# Altium PCB CPU-board-multi-Ethernnet.PcbDoc (part 2 of 3)
Units mm, origin at the board's own origin, x right, y up, seen from the top; angles counter-clockwise.
Board outline 124.38 x 78.66 mm, 5 copper layers (L1, L1-2, L2, L3, L4); 321 components, 264 nets, 1005 pads, 365 vias.
Unrouted connection lines stored in the file: 97.
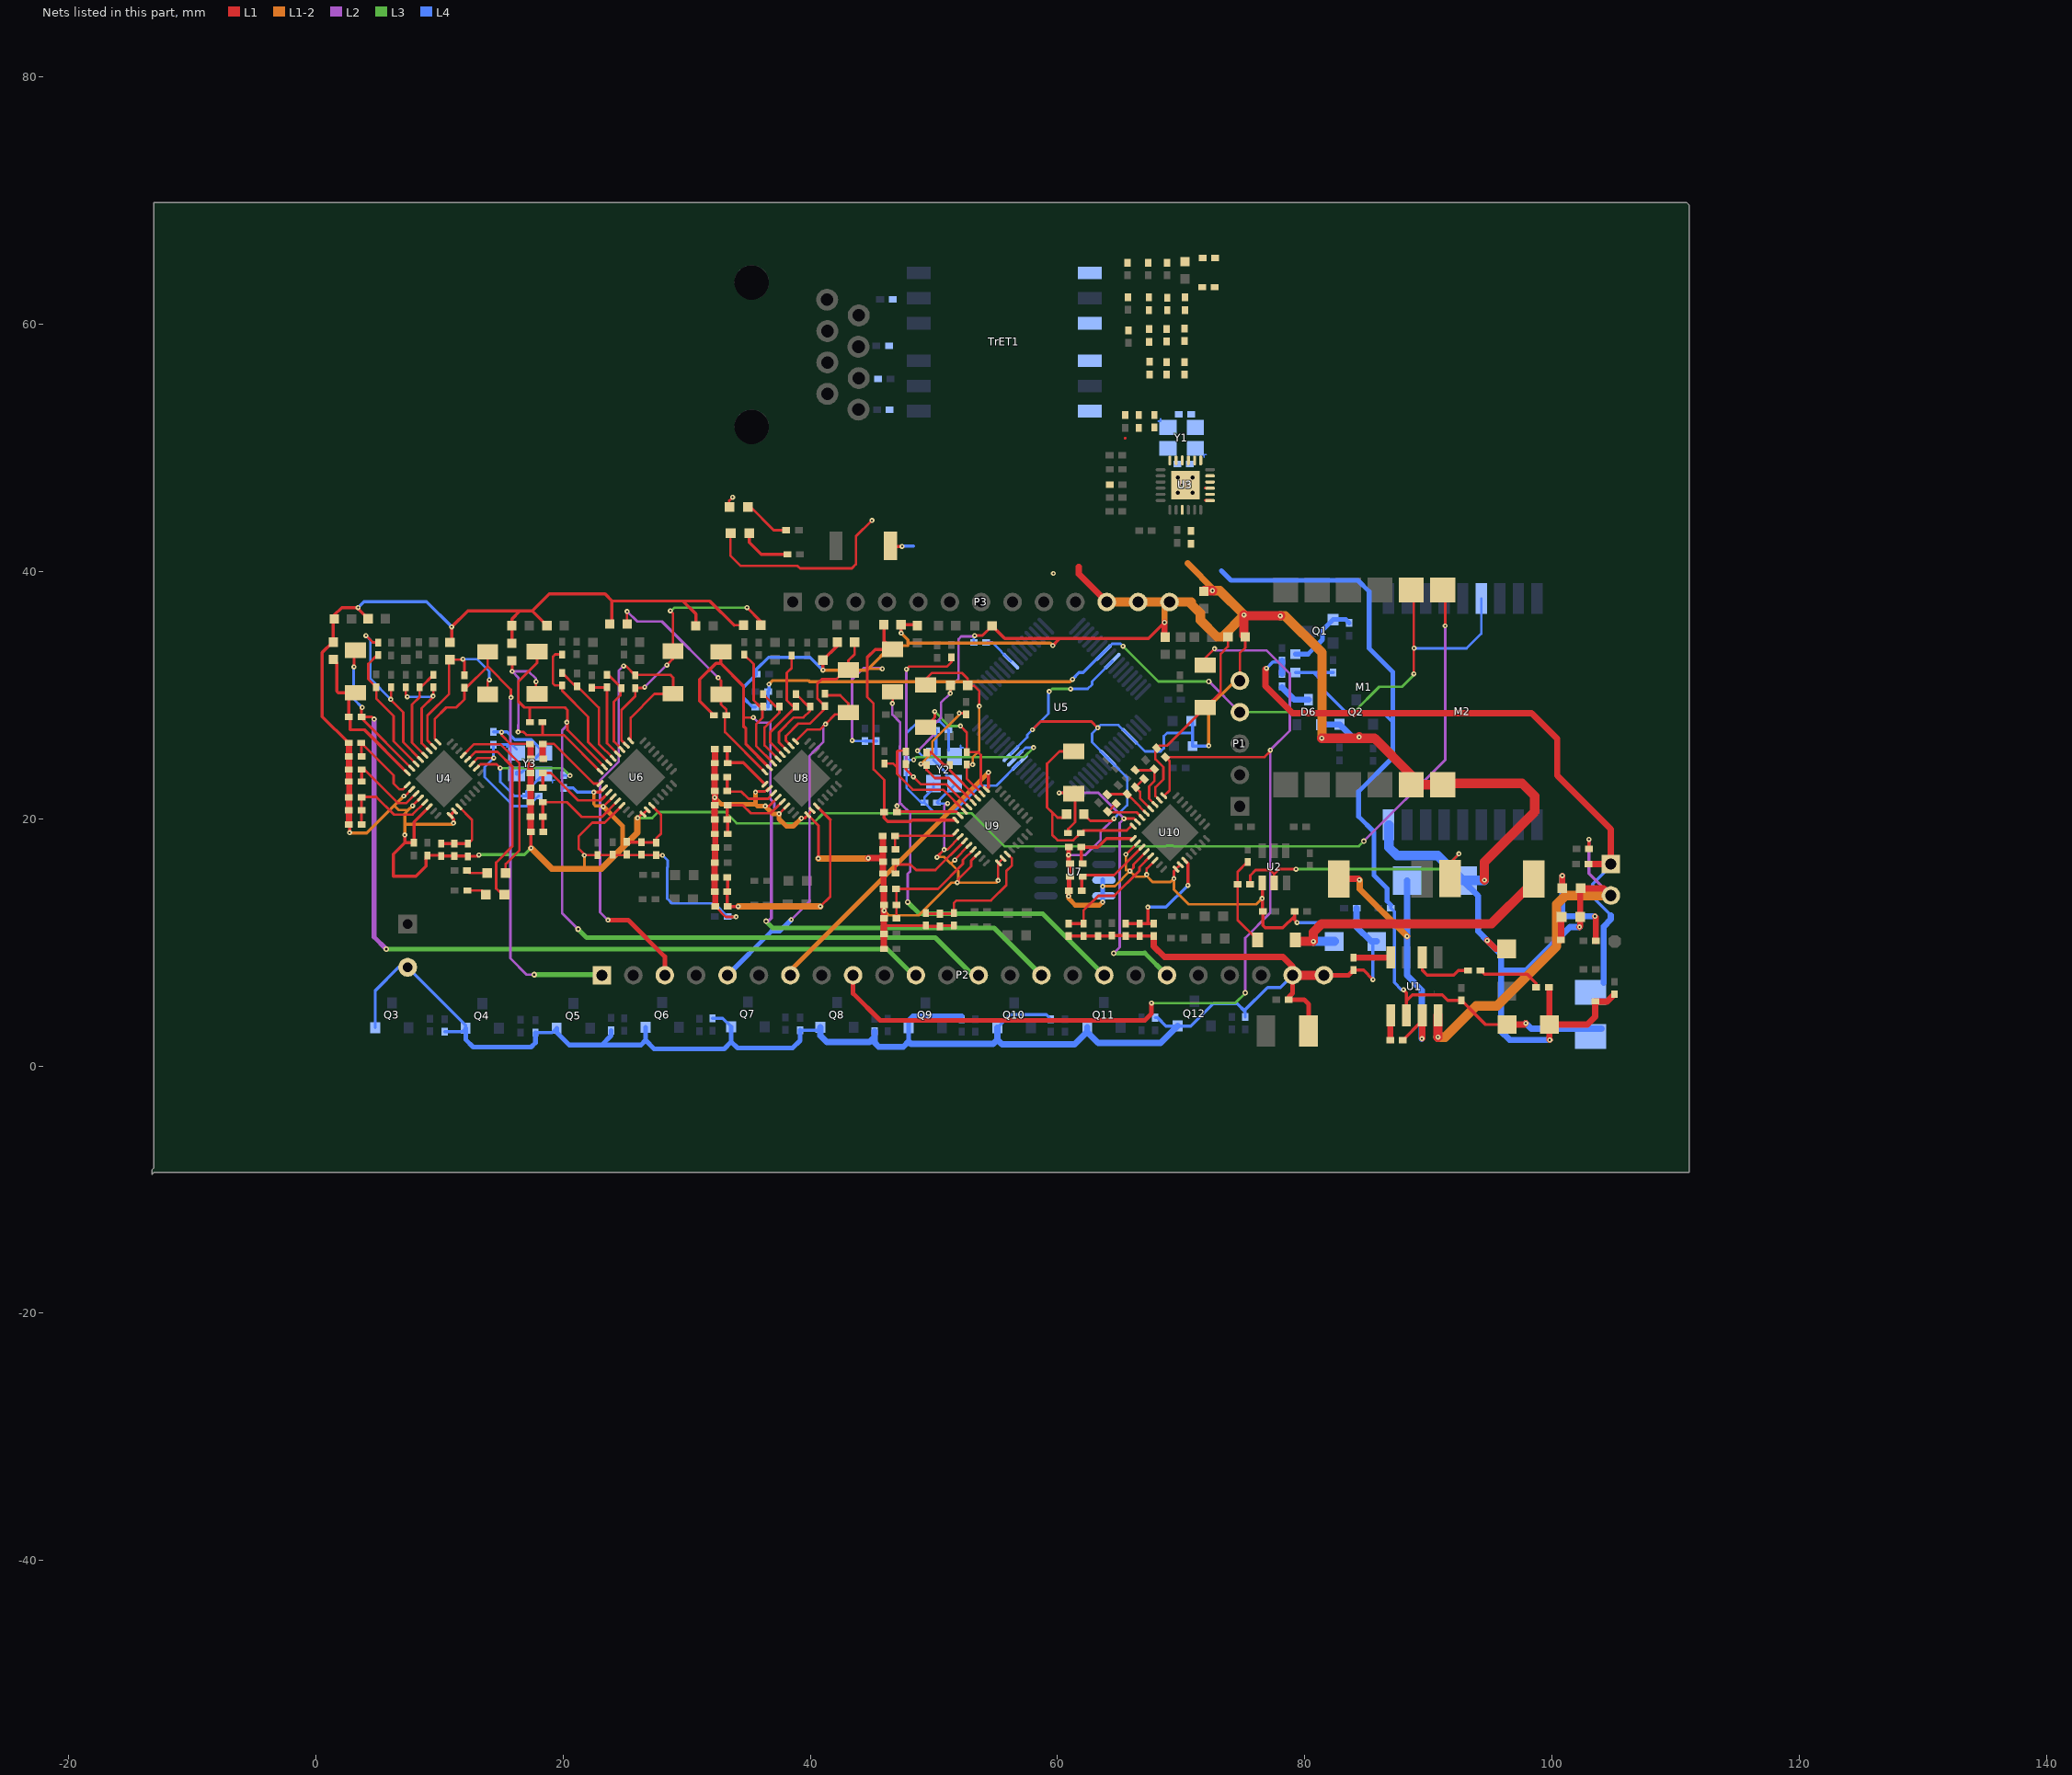
[diagram p5: the nets of this part, all layers, seen from the top]

## Via types
v1: diameter 0.406, hole 0.152, L1 to L4, 80 vias
v2: diameter 0.406, hole 0.152, L1 to L2, 56 vias
v3: diameter 0.406, hole 0.152, L1 to L3, 50 vias
v4: diameter 0.406, hole 0.152, L1 to L1-2, 48 vias
v5: diameter 0.406, hole 0.152, L3 to L4, 34 vias
v6: diameter 0.406, hole 0.152, L2 to L4, 29 vias
v7: diameter 0.66, hole 0.33, L1 to L4, tented top, 24 vias
v8: diameter 0.45, hole 0.2, L2 to L3, 21 vias
v9: diameter 0.406, hole 0.152, L1-2 to L4, 16 vias
v10: diameter 0.45, hole 0.2, L1-2 to L3, 4 vias
v11: diameter 0.406, hole 0.152, L1-2 to L2, 3 vias

## Nets (pads, with @x,y where several pads share a name; then routed paths per layer and width w, separated by ;. In a path a pad name is that pad's centre, name@x,y a point inside that pad or via, vN(x,y) a via of type N, cw(c..) or ccw(c..) an arc to the next point about the centre after c; other vN are vias at no path point) (continued)
GND: BT1.2 C2.2 C3.2 C4.2 C5.2 C8.2 C9.2 C10.2 C11.2 C12.2 C13.2 C14.2 C15.2 C16.2 C17.2 C18.2 C19.2 C20.2 C21.2 C23.2 C24.2 C25.2 C26.2 C27.1 C28.2 C29.2 C30.2 C31.2 C32.2 C33.2 C34.2 C36.1 C37.2 C38.1 C39.2 C40.2 C41.2 C42.2 C44.2 C45.2 C46.2 C47.2 C49.2 C50.2 C51.2 C52.2 C53.2 C55.2 C56.2 C57.1 C59.2 C60.2 C61.2 C62.2 C63.2 C64.2 C67.1 C69.2 C70.2 C71.2 C72.1 C74.2 C75.2 C77.2 C78.2 C79.2 C80.2 C81.2 C82.2 C86.2 C87.2 C88.2 C89.2 C91.2 C93.2 C95.2 C96.2 C97.2 C98.1 C99.2 C100.2 C104.2 C105.2 C106.2 C107.2 C108.2 C110.2 C111.2 C112.2 C113.2 C116.2 C117.2 C121.2 C122.2 C123.2 C124.2 D1.1 D3.2 D6.A D7.2 D14.2 D15.2 L5.1 L6.1 L8.1 L9.1 L11.1 L12.1 L14.1 L15.1 L17.1 L18.1 L20.1 L21.1 L23.1 L24.1 L26.1 L27.1 L29.1 L30.1 L32.1 L33.1 M1.1 M1.11 M1.12 M2.9 P1.5 P2.23 P2.24 P3.11 P3.12 P3.13 Q2.E Q3.E Q4.E Q5.E Q6.E Q7.E Q8.E Q9.E Q10.E Q11.E Q12.E R6.1 R7.1 R8.1 R15.1 R21.1 R37.1 R51.1 R56.1 R62.1 R71.1 R76.1 R81.1 R93.1 R99.1 R105.1 R108.1 U1.4@90.78,4.089 U2.1 U3.25 U4.18 U4.20 U4.22 U4.25 U4.26 U5.9 U5.20 U5.25 U5.41 U6.18 U6.20 U6.22 U6.25 U6.26 U7.3 U7.4 U8.18 U8.20 U8.22 U8.25 U8.26 U9.18 U9.20 U9.22 U9.25 U9.26 U10.18 U10.20 U10.22 U10.25 U10.26 Y1.2 Y1.4 Y2.2 Y2.4 Y3.2 Y3.4 | length 834.1
  L1 w0.203: v4(7.112,21.844) 7.198,21.844 U4.18@7.747,22.392 ; v4@7.818,21.049 U4.20@8.454,21.685 ; v1(15.011,27) 15.011,26.772 15.723,26.06 C70.2@17.323,26.06 C70.2@17.374,26.01 ; v4@23.248,20.985 U6.20@24.05,21.787 ; U6.22@24.757,21.08 23.362,19.685 22.352,19.685 21.26,18.593 21.26,17.551 21.742,17.069 C57.1@22.784,17.069 26.34,17.069 C61.2@27.534,17.069 ; v3(26.035,20.066) 26.342,20.373 U6.25@26.454,20.373 U6.26@26.807,20.726 ; C61.2@27.559,17.043 v1(28.042,17.043) ; C77.2@32.309,12.903 33.147,12.065 v1(33.985,12.065) ; 33.833,35.662 L12.1@34.595,35.662 ; v4(35.56,22.149) 35.624,22.213 36.344,22.213 36.574,22.443 U8.18@36.678,22.443 ; v4(36.347,21.031) 36.68,21.031 ; 36.73,21.082 U8.20@37.385,21.736 ; v4(37.465,20.396) U8.22@38.092,21.023 ; v4(39.268,20.041) 39.522,20.041 39.789,20.307 U8.25@39.789,20.322 ; U8.26@40.142,20.676 U8.25@39.789,20.322 ; v4(40.64,16.789) 40.665,16.815 40.665,19.445 U8.25@39.789,20.322 ; C106.2@45.847,18.618 C106.2@45.872,18.593 ; C105.2@45.872,15.57 C105.2@45.923,15.519 ; C93.2@45.923,14.326 C93.2@45.949,14.3 ; v4(50.241,16.891) 50.241,16.916 v2(50.825,17.501) 51.064,17.501 U9.18@52.121,18.557 ; v2(51.333,30.15) L24.1@51.333,30.785 ; v4(51.689,16.662) 51.666,16.639 51.666,16.688 U9.20@52.828,17.85 ; v4(51.892,14.834) 51.968,14.91 51.968,15.113 53.01,16.154 53.01,16.618 U9.22@53.535,17.143 ; v1(53.289,34.823) 53.924,34.823 L23.1@54.712,35.611 ; v4(55.194,15.011) 55.194,16.398 U9.25@55.232,16.436 U9.26@55.586,16.789 ; v1(57.963,27.203) 58.623,27.864 62.738,27.864 v1(63.246,27.356) ; L33.1@62.128,20.371 62.662,19.837 64.389,19.837 v1(64.567,20.015) ; 65.456,50.775 65.481,50.8 ; v4(65.532,17.12) 65.542,17.12 U10.18@66.472,18.049 ; v4(65.862,15.773) 66.142,16.053 66.142,16.305 U10.20@67.179,17.342 ; v4(67.208,15.494) 67.208,15.957 U10.22@67.886,16.635 ; v4(69.418,15.164) 69.418,15.763 U10.25@69.583,15.928 U10.26@69.937,16.281 ; P1.5@74.752,31.166 74.752,33.401 75.184,33.833 L30.1@75.184,34.722 ; v2(91.364,35.611) M1.1@91.364,38.303
  L1 w0.254: C32.2@2.667,19.533 2.667,19.517 2.718,19.467 v4(2.718,18.872) ; C36.1@2.667,21.742 C36.1@2.692,21.768 ; C52.2@2.667,23.012 2.667,22.835 C52.2@2.692,22.809 ; C53.2@2.667,26.111 C53.2@2.642,26.137 0.508,28.27 0.508,33.452 1.346,34.29 L9.1@1.397,34.29 1.397,36.093 L8.1@1.473,36.17 1.473,36.474 2.083,37.084 3.327,37.084 L5.1@4.216,36.195 ; v4(7.188,18.694) 7.188,18.059 ; U4.22@9.161,20.978 7.925,19.742 C29.2@7.925,18.059 7.188,18.059 ; L6.1@10.846,34.265 10.973,34.392 v1(10.973,35.535) 10.998,35.535 12.294,36.83 17.501,36.83 ; v4(11.125,19.66) 11.151,19.685 11.151,19.979 U4.25@10.858,20.271 U4.26@11.212,20.625 ; v3@13.056,16.967 C39.2@12.294,16.967 12.268,16.993 C33.2@11.201,16.993 C27.1@10.135,16.993 10.084,17.043 C30.2@9.017,17.043 8.89,16.916 8.89,16.18 8.077,15.367 6.274,15.367 6.274,17.145 7.188,18.059 ; L15.1@15.85,34.188 L14.1@15.85,35.636 15.85,36.17 16.485,36.805 ; C63.2@17.374,18.948 17.374,17.653 v3(17.399,17.628) ; L11.1@18.694,35.636 17.501,36.83 ; v9(22.479,22.149) 22.997,22.149 U6.18@23.343,22.494 ; L21.1@23.774,35.763 23.927,35.916 23.927,37.567 ; L20.1@30.734,35.611 30.734,36.576 29.693,37.617 ; C74.2@32.258,16.434 C74.2@32.283,16.459 ; C75.2@32.283,17.653 C75.2@32.309,17.678 ; C80.2@32.283,18.771 C80.2@32.309,18.745 ; 33.833,35.662 31.877,37.617 29.693,37.617 ; v1@41.021,32.08 L17.1@41.021,32.842 42.189,34.011 L18.1@42.189,34.29 ; 45.949,11.316 45.987,11.354 C91.2@49.352,11.354 ; v4(47.346,35.027) L27.1@47.346,35.712 48.514,35.712 L26.1@48.666,35.56 ; C91.2@49.403,11.303 C99.2@50.47,11.303 50.521,11.354 C96.2@51.613,11.354 ; L23.1@54.712,35.611 55.728,34.595 67.361,34.595 v4(68.656,35.89) ; v4(59.614,34.011) 60.071,34.468 ; C116.2@60.909,10.516 C111.2@62.103,10.516 C110.2@63.271,10.516 C108.2@64.364,10.516 ; C108.2@64.389,10.541 C113.2@65.481,10.541 ; C113.2@65.507,10.516 C117.2@66.65,10.516 C112.2@67.793,10.516 ; C9.2@76.571,12.532 U2.1@76.571,14.808 ; C9.2@76.606,12.497 76.606,11.379 76.81,11.176 78.232,11.176 79.172,12.116 ; C3.2@78.715,5.359 C3.2@78.715,5.588 ; R21.1@79.172,12.497 79.172,12.116 ; v1(79.375,11.608) 79.172,11.811 79.172,12.116 ; C2.2@80.289,2.819 C2.2@80.289,2.845 ; C5.2@83.947,7.747 84.76,7.747 v1(85.522,6.985) ; R15.1@102.997,17.577 v2(102.997,18.339) ; 17.501,36.83 18.872,38.202 23.393,38.202 23.978,37.617 29.693,37.617
  L1 w0.381: v4(60.884,13.741) C121.2@60.884,14.249 ; C124.2@60.909,17.704 60.909,16.561 60.935,16.535 60.935,14.3 C121.2@60.96,14.326 ; C3.2@78.715,5.359 79.959,5.359 80.315,5.004 C2.2@80.315,2.845 ; C3.2@78.715,5.588 79.019,5.893 P2.23@79.019,7.341 ; P2.24@81.559,7.341 83.541,7.341 C5.2@83.947,7.747
  L1 w0.508: C32.2@2.667,19.533 C28.2@2.667,20.701 C36.1@2.667,21.742 ; C52.2@2.667,23.012 C50.2@2.667,23.978 C51.2@2.667,25.044 C53.2@2.667,26.111 ; C36.1@2.692,21.768 C52.2@2.692,22.809 ; C71.2@17.348,23.698 C72.1@17.348,24.841 ; C63.2@17.374,18.948 C71.2@17.374,23.673 ; C72.1@17.374,24.867 C70.2@17.374,26.01 ; C79.2@32.258,14.097 C81.2@32.258,15.265 C74.2@32.258,16.434 ; C78.2@32.258,19.939 C82.2@32.258,21.082 ; C86.2@32.258,22.25 C88.2@32.258,23.368 C87.2@32.258,24.486 ; C74.2@32.283,16.459 C75.2@32.283,17.653 ; C80.2@32.283,18.771 C78.2@32.283,19.914 ; C82.2@32.283,21.107 C86.2@32.283,22.225 ; C87.2@32.283,24.511 C89.2@32.283,25.603 ; C77.2@32.309,12.903 C79.2@32.309,14.046 ; C75.2@32.309,17.678 C80.2@32.309,18.745 ; v4(44.679,16.815) 45.593,16.815 C104.2@45.872,16.535 ; C105.2@45.872,15.57 C104.2@45.872,16.535 ; C106.2@45.872,18.593 C107.2@45.872,17.526 C104.2@45.872,16.535 ; C93.2@45.923,14.326 C105.2@45.923,15.519 ; C97.2@45.949,9.474 C95.2@45.949,10.693 45.949,11.316 C98.1@45.949,11.938 C100.2@45.949,13.03 C93.2@45.949,14.3 ; 61.722,40.386 61.722,39.802 P3.11@63.983,37.541 ; C112.2@67.793,10.516 67.793,9.677 68.656,8.814 78.232,8.814 79.019,8.026 P2.23@79.019,7.341 ; v4(68.656,35.89) 68.656,34.747 L32.1@68.707,34.696 ; v1(94.767,10.16) 95.453,9.474 C8.2@96.342,9.474 ; R8.1@99.797,6.325 C4.2@99.797,3.353 ; v1(99.822,2.108) 99.797,2.134 C4.2@99.797,3.353 ; v1(102.235,11.252) 102.286,11.303 D7.2@102.286,12.065 102.286,14.326 D3.2@102.337,14.376 104.191,14.376 BT1.2@104.775,13.792 ; R6.1@103.505,5.232 103.505,3.988 102.87,3.353 C4.2@99.797,3.353 ; R6.1@103.53,5.207 104.462,5.207 C34.2@105.054,5.799
  L1 w0.762: L29.1@71.882,38.456 v4(72.542,38.456) ; L30.1@75.184,34.722 75.082,34.823 v4(75.082,36.5) 75.159,36.424 v4(78.029,36.424) ; P2.23@79.019,7.341 P2.24@81.559,7.341 ; v4(81.382,26.518) 84.303,26.518 v1(84.404,26.619) ; v1@84.404,26.518 85.649,26.518 88.621,23.546 M1.11@88.621,22.758 M1.12@91.161,22.758 91.262,22.86 97.587,22.86 98.603,21.844 98.603,20.574 94.539,16.51 v1(94.539,15.037) ; v4(90.78,2.337) U1.4@90.78,4.089
  L2 w0.203: v6(43.383,26.34) 43.383,31.344 43.459,31.344 44.298,32.182 45.771,32.182 v11(45.822,32.131) ; v6(48.666,25.502) 48.692,25.502 50.038,26.848 50.038,27.645 50.566,28.174 50.566,29.383 v2(51.333,30.15) 51.333,30.683 51.994,31.344 51.994,34.544 52.197,34.747 53.213,34.747 v1(53.289,34.823) ; v2(50.825,17.501) 50.825,21.031 51.029,21.234 v6(51.105,21.234) ; v2(60.884,17.069) 62.255,17.069 63.475,18.288 63.475,18.923 v1(64.567,20.015) ; v8(84.785,18.186) 91.364,24.765 v2(91.364,35.611)
  L2 w0.254: v2(102.997,18.339) 102.997,15.57 BT1.2@104.775,13.792
  L3 w0.203: v3(26.035,20.066) 27.203,20.066 27.686,20.549 33.122,20.549 34.036,19.634 40.239,19.634 41.051,20.447 53.035,20.447 55.702,17.78 68.777,17.78 68.827,17.83 69.349,17.83 69.399,17.78 84.379,17.78 v8(84.785,18.186) ; v5(59.334,30.302) 59.36,30.302 59.563,30.505 v5(61.062,30.505)
  L3 w0.254: v3(13.183,17.069) 13.208,17.094 16.866,17.094 v3(17.399,17.628)
  L1-2 w0.203: 6.337,21.069 6.706,20.701 7.466,20.701 ; 21.666,15.951 21.717,16.002 v4(21.717,17.043) ; 35.56,21.184 35.712,21.031 ; v4@44.653,16.789 v4(44.679,16.815) ; 44.767,32.22 44.856,32.131 v11(45.822,32.131) ; v4(45.974,12.573) 46.355,12.192 48.768,12.192 51.41,14.834 v4(51.892,14.834) ; v4@50.241,16.916 50.825,16.916 51.968,15.773 51.968,14.91 v4(51.892,14.834) ; 51.397,16.417 51.666,16.686 v4(51.689,16.662) ; v4(55.194,15.011) 55.194,14.986 55.042,14.834 v4(51.892,14.834) ; v9(63.652,14.529) 63.678,14.554 64.643,14.554 v4(65.862,15.773) 66.319,15.316 67.031,15.316 v4(67.208,15.494) 67.208,15.367 67.691,14.884 69.139,14.884 v4(69.418,15.164) 69.418,14.275 70.612,13.081 76.073,13.081 v4(76.556,13.564) ; v4(65.532,17.12) 65.532,15.85 v4@65.786,15.85
  L1-2 w0.254: v4(2.718,18.872) 2.743,18.847 4.115,18.847 6.337,21.069 v4(7.112,21.844) ; v4(7.188,18.694) 7.188,19.559 ; v4(7.818,21.054) 7.466,20.701 7.188,20.424 7.188,19.559 ; v4(11.125,19.66) 11.025,19.559 7.188,19.559 ; v9(22.479,22.149) 22.479,21.184 22.606,21.057 23.173,21.057 v4(23.244,20.985) ; v1(41.021,32.029) 44.577,32.029 44.767,32.22 46.558,34.011 47.904,34.011 ; v4(47.346,35.027) 47.904,34.468 47.904,34.214 59.411,34.214 v4(59.614,34.011) ; v9(72.238,25.908) 72.238,29.032 74.371,31.166 P1.5@74.752,31.166
  L1-2 w0.381: v4(23.244,20.985) 24.816,19.414 24.816,17.678 ; v4(32.258,21.717) 32.791,21.184 35.56,21.184 v4(35.56,22.149) ; 35.712,21.031 v4(36.347,21.031) 36.982,20.396 v4(37.465,20.396) 37.465,19.99 38.075,19.38 38.608,19.38 v4(39.268,20.041) ; v4(60.884,13.741) 60.909,13.741 60.909,13.538 61.443,13.005 63.398,13.005 v9(63.652,13.259)
  L1-2 w0.508: v3(17.399,17.628) 19.075,15.951 21.666,15.951 23.089,15.951 24.816,17.678 26.01,18.872 v3@26.01,20.041 ; v4(40.64,16.789) v4@44.653,16.789 ; v4(68.656,35.89) 68.656,37.135 P3.13@69.063,37.541 ; 70.536,40.665 72.746,38.456
  L1-2 w0.762: P3.11@63.983,37.541 P3.12@66.523,37.541 P3.13@69.063,37.541 70.815,37.541 70.815,37.363 71.552,36.627 71.552,36.068 72.898,34.722 73.33,34.722 v4@75.082,36.474 ; 72.746,38.456 73.127,38.456 v4(75.082,36.5) ; v4(78.029,36.424) 78.41,36.424 81.407,33.426 v4@81.407,26.518 ; v4(90.78,2.337) 91.364,2.337 93.878,4.851 95.555,4.851 100.381,9.677 100.381,13.081 101.092,13.792 BT1.2@104.775,13.792
  L4 w0.203: v1(15.011,27) v1@15.011,27.026 ; v1(28.042,17.043) 28.448,16.637 28.448,16.078 28.423,16.053 28.423,13.538 28.804,13.157 32.233,13.157 C41.2@33.299,12.09 ; C41.2@33.325,12.065 v1(33.985,12.065) ; v6(43.383,26.34) 43.434,26.289 C40.2@44.425,26.289 ; v6(48.666,25.502) 48.666,25.476 49.098,25.044 Y2.4@49.962,25.044 ; Y2.4@49.962,24.744 50.981,23.725 50.981,23.525 Y2.2@51.662,22.844 51.662,22.731 C47.2@50.241,21.311 ; C47.2@50.317,21.234 v6(51.105,21.234) ; C46.2@53.221,34.265 v1@53.221,34.755 ; U5.41@56.224,25.259 57.558,26.594 57.558,26.799 v1(57.963,27.203) 59.258,28.499 59.258,30.226 v5(59.334,30.302) ; v5(61.062,30.505) 62.433,30.505 62.789,30.861 62.789,31.117 U5.9@64.426,32.754 ; v1(64.567,20.015) 64.77,20.218 64.77,20.244 65.634,21.107 65.634,23.345 U5.25@64.073,24.906 62.789,26.189 62.789,26.899 v1(63.246,27.356) 63.475,27.584 64.929,27.584 U5.20@65.84,26.673 65.859,26.673 67.081,25.451 68.351,25.451 68.605,25.705 68.605,26.695 68.859,26.949 70.918,26.949 ; D6.A@81.28,27.61 D6.A@81.305,27.635
  L4 w0.254: v1(3.404,37.084) 3.886,37.567 8.941,37.567 v1(10.973,35.535) ; Q3.E@4.793,3.099 4.793,6.088 C31.2@6.685,7.981 ; C31.2@7.417,7.981 12.108,3.289 Q4.E@12.108,3.048 11.829,2.769 R51.1@10.414,2.769 ; C49.2@14.351,27.026 15.011,27.026 15.437,27.026 16.072,26.391 17.424,26.391 Y3.4@18.429,25.386 ; Y3.2@16.229,23.622 16.229,23.773 16.63,23.773 18.179,25.322 Y3.4@18.429,25.322 ; R56.1@17.755,2.692 19.116,2.692 Q5.E@19.478,3.055 ; C55.2@20.041,22.504 20.803,22.504 21.158,22.149 v9(22.479,22.149) ; R71.1@32.08,3.861 32.911,3.861 Q7.E@33.597,3.175 ; C67.1@35.56,29.032 35.331,29.032 34.595,29.769 34.595,30.658 C45.2@35.636,31.699 35.636,32.08 36.627,33.071 39.98,33.071 v1(41.021,32.029) ; R76.1@39.167,2.896 40.582,2.896 Q8.E@40.81,3.124 ; C40.2@44.425,26.289 C37.2@45.364,26.289 ; Y2.4@50.165,25.248 C42.2@50.165,27.178 ; Q10.E@55.14,3.105 56.174,4.14 59.08,4.14 R99.1@59.436,3.785 ; R105.1@67.894,3.912 68.1,3.912 68.779,3.232 Q12.E@69.719,3.232 70.771,3.232 72.593,5.055 74.524,5.055 75.184,4.394 ; D14.2@70.918,27.812 70.918,26.949 D15.2@70.918,25.883 72.212,25.883 v9(72.238,25.908) ; R108.1@75.184,3.962 75.184,4.394 ; P2.23@79.019,7.341 78.029,6.35 77.009,6.35 76.925,6.265 76.903,6.265 75.184,4.547 75.184,4.394 ; v1(79.375,11.608) 79.395,11.587 83.866,11.587 ; v1(85.522,6.985) C10.2@85.522,9.779
  L4 w0.381: Q4.E@12.108,3.048 12.108,2.141 12.725,1.524 17.399,1.524 17.755,1.88 R56.1@17.755,2.692 ; Q5.E@19.478,3.055 19.478,2.722 20.498,1.702 23.114,1.702 ; R62.1@23.876,2.87 23.876,2.464 23.114,1.702 ; Q6.E@26.666,3.131 26.666,2.079 ; Q7.E@33.597,3.175 33.597,1.963 ; R76.1@39.167,2.896 39.167,2.057 38.557,1.448 34.112,1.448 33.597,1.963 ; 47.951,1.977 Q9.E@47.951,3.105 47.951,3.705 48.285,4.039 R93.1@52.248,4.039 ; v9(63.652,13.259) 63.703,13.259 63.666,13.296 63.666,14.529 U7.3@63.666,15.062 ; 23.114,1.702 26.289,1.702 26.666,2.079 ; 26.666,2.079 27.356,1.389 33.023,1.389 33.597,1.963
  L4 w0.508: Q8.E@40.81,3.124 40.81,2.446 41.326,1.93 44.78,1.93 45.187,2.337 ; R81.1@45.187,2.819 45.187,2.337 ; Q10.E@55.14,3.105 55.14,2.13 ; Q11.E@62.404,3.131 Q11.E@62.404,2.765 ; Q12.E@69.719,3.232 68.341,1.854 63.297,1.854 62.404,2.747 Q11.E@62.404,2.765 ; D6.A@81.305,27.635 Q2.E@82.822,27.635 83.838,26.619 v1(84.404,26.619) ; R7.1@84.201,12.776 84.201,11.252 85.369,10.084 C10.2@85.827,10.084 ; D1.1@92.776,15.011 94.031,13.756 94.031,10.897 v1(94.767,10.16) 95.885,9.042 95.885,7.722 ; v1(99.822,2.108) 96.571,2.108 95.885,2.794 95.885,7.722 ; v1(102.235,11.252) 101.448,11.252 97.917,7.722 95.885,7.722 ; 45.187,2.337 45.187,1.905 45.542,1.549 47.523,1.549 47.951,1.977 48.133,1.796 54.806,1.796 55.14,2.13 ; 55.14,2.13 55.517,1.753 61.392,1.753 Q11.E@62.404,2.765
  L4 w0.762: M2.9@86.817,19.487 86.817,17.678 87.478,17.018 90.769,17.018 D1.1@92.776,15.011 94.513,15.011 v1(94.539,15.037)
  other v1: 59.665,39.853
  other v4: 22.479,22.149
  other v7: 69.738,46.397 70.938,46.397 69.738,47.597 70.938,47.597
  other v9: 70.053,47.041
NetBT1_1: BT1.1 D4.A R10.1 R11.2 R12.2 | length 54.1
  L1 w0.254: R12.2@102.972,16.231 R12.2@102.972,16.332
  L1 w0.508: v1@76.835,32.106 76.835,30.734 79.019,28.55 98.349,28.55 100.432,26.467 100.432,23.495 104.775,19.152 BT1.1@104.775,16.332 R12.2@102.972,16.332
  L4 w0.254: v1(76.911,32.182) 77.419,32.69 R10.1@78.054,32.69 ; 104.775,12.192 103.285,13.682 103.285,14.715 104.775,16.205 BT1.1@104.775,16.332
  L4 w0.508: R11.2@78.156,31.725 R10.1@78.156,32.791 ; D4.A@104.191,6.731 104.191,11.278 104.775,11.862 104.775,12.192
NetC1_1: C1.1 U1.1 | length 2
  L1 w0.508: C1.1@86.919,2.083 U1.1@86.919,4.039
NetC1_2: C1.2 D1.2 L1.1 U1.3 | length 25.2
  L1 w0.254: C1.2@87.935,2.083 87.937,2.083 89.51,3.655 U1.3@89.51,4.089 ; v1(89.484,2.21) v1@89.51,2.235
  L1 w0.508: L1.1@82.753,15.138 v4@84.354,15.138 ; v1@89.51,2.235 U1.3@89.51,3.655
  L1-2 w0.508: v4(84.43,15.062) 84.455,15.037 84.455,14.311 v9(88.276,10.49)
  L4 w0.508: D1.2@88.276,15.011 v9(88.276,10.49) 88.276,7.33 89.484,6.121 v1(89.484,2.21)
NetC4_1: C4.1 D2.1 D4.K R1.2 R3.2 R4.2 U1.2 | length 79.3
  L1 w0.254: v1(87.987,6.172) 88.24,5.919 88.24,5.283 ; U1.2@88.24,4.089 88.24,5.283 ; C4.1@96.368,3.353 94.64,3.353 R1.2@92.685,5.309 91.58,5.309 91.123,5.766 88.722,5.766 88.24,5.283
  L1 w0.508: C4.1@96.368,3.353 97.79,3.353 v1(97.892,3.454)
  L4 w0.254: D2.1@79.248,31.826 80.696,31.826 ; R4.2@82.296,31.826 80.696,31.826 ; 86.97,13.03 R3.2@86.97,12.776 87.249,12.497 87.249,6.756 87.833,6.172 v1(87.987,6.172) ; 87.122,27.813 86.36,28.575 83.388,28.575 81.384,30.58 81.384,31.138 80.696,31.826
  L4 w0.381: 73.254,40.081 74.041,39.294 84.303,39.294 85.217,38.379 85.217,33.782 87.122,31.877 87.122,27.813 87.122,24.968 84.353,22.2 84.353,20.193 85.598,18.948 85.598,15.418 86.66,14.356 86.66,13.34 86.97,13.03
  L4 w0.508: v1(97.892,3.454) 98.323,3.023 D4.K@104.032,3.023
NetC5_1: C5.1 U1.8 | length 3
  L1 w0.508: C5.1@83.947,8.763 86.944,8.763 U1.8@86.97,8.788
NetC6_1: C6.1 U1.6 | length 5
  L1 w0.254: U1.6@89.51,8.788 89.51,7.772 89.916,7.366 92.075,7.366 92.431,7.722 C6.1@93.218,7.722
NetC6_2: C6.2 R8.2 | length 4.9
  L1 w0.254: C6.2@94.234,7.722 94.539,7.417 97.993,7.417 98.73,6.68
NetC7_1: C7.1 L2.1 U2.2 | length 21.8
  L1 w0.203: C7.1@75.59,14.707 75.59,15.418 76.022,15.85 77.191,15.85 77.521,15.519 ; U2.2@77.521,14.808 77.521,15.519 ; v3@79.248,15.926 77.927,15.926 77.521,15.519 ; L2.1@91.421,15.087 91.421,16.11 v3(92.481,17.17)
  L3 w0.203: v3(79.299,15.926) 91.237,15.926 v3(92.481,17.17)
NetC7_2: C7.2 D5.K R14.1 | length 7.3
  L1 w0.203: R14.1@75.387,16.51 74.574,15.697 C7.2@74.574,14.707 74.574,11.811 D5.K@76.2,10.185
NetC10_1: C10.1 D5.A L2.2 | length 22.8
  L1 w0.762: D5.A@79.35,10.084 v1(80.696,10.084) 80.696,10.82 81.382,11.506 95.123,11.506 L2.2@98.171,14.554
  L4 w0.762: v1(80.696,10.084) C10.1@82.398,10.084
NetC11_1: C11.1 C12.1 C14.1 L3.2 R23.2 R24.2 R25.2 R26.2 U3.1 U3.19 | length 0.4
  L1 w0.203: U3.19@71.952,45.765 U3.19@72.345,45.765
NetC16_1: C16.1 C17.1 U3.6
NetC18_1: C18.1 R23.1 TrET1.1 U3.21 | length 0
  L1 w0.203: U3.21@71.952,46.765 U3.21@71.956,46.761
NetC19_1: C19.1 R24.1 TrET1.3 U3.20
NetC20_1: C20.1 R25.1 TrET1.4 U3.23
NetC21_1: C21.1 R26.1 TrET1.6 U3.22
NetC22_1: C22.1 R27.2 R28.1 R33.1 R34.2 | length 1.8
  L1 w0.254: C22.1@46.533,42.037 v1(47.422,42.037)
  L4 w0.254: v1(47.422,42.037) 47.447,42.062 48.336,42.062
NetC24_1: C24.1 R36.1 U3.15
NetC25_1: C25.1 U3.4 Y1.1
NetC26_1: C26.1 U3.5 Y1.3
NetC27_2: C27.2 C33.1 C39.1 U4.27 | length 5.7
  L1 w0.203: U4.27@11.565,20.978 12.624,19.92 12.624,18.313 C39.1@12.294,17.983
  L1 w0.254: C27.2@10.135,18.009 C33.1@11.201,18.009 12.268,18.009 C39.1@12.294,17.983
NetC28_1: C28.1 C32.1 C36.2 U4.21 | length 8.3
  L1 w0.203: C32.1@3.683,19.533 C28.1@3.683,20.701 C36.2@3.683,21.742 ; C36.2@3.683,21.768 4.877,21.768 6.299,20.345 7.821,20.345 U4.21@8.808,21.332
NetC35_1: C35.1 R42.1 U4.12 | length 7.7
  L1 w0.203: U4.12@8.808,25.15 8.784,25.15 7.772,26.162 7.772,29.235 8.382,29.845 R42.1@8.382,30.632 8.484,30.632 C35.1@9.5,31.648
NetC35_2: C35.2 R40.1 U4.11 | length 8.7
  L1 w0.203: R40.1@7.264,30.632 7.264,29.997 v1(7.391,29.87) ; U4.11@9.161,25.504 8.554,26.111 8.554,28.95 v1@9.5,29.896 ; v1@9.5,29.921 C35.2@9.5,30.632
  L4 w0.203: v1(7.391,29.87) 9.423,29.87 v1(9.474,29.921)
NetC42_1: C42.1 R46.2 U5.40 Y2.1 | length 20.4
  L3 w0.203: v5(48.362,24.765) 48.585,24.989 57.297,24.989 v5(58.064,25.756)
  L4 w0.203: v5(48.362,24.765) R46.2@47.777,24.765 47.777,26.924 48.717,27.864 50.495,27.864 C42.1@51.181,27.178 Y2.1@51.181,25.525 ; U5.40@56.577,24.929 57.404,25.756 v5(58.064,25.756)
NetC43_1: C43.1 L6.2 R45.2 U4.10 | length 14.6
  L1 w0.203: U4.10@9.515,25.857 9.017,26.355 9.017,28.346 10.77,30.099 10.77,32.791 L6.2@10.846,32.868 v1@11.887,32.868 ; C43.1@12.014,31.623 v1@12.014,32.766 ; R45.2@13.894,30.074 13.894,31.115 v1(14.021,31.242)
  L4 w0.203: v1(11.887,32.918) 13.03,32.918 14.021,31.928 v1(14.021,31.242)
NetC43_2: C43.2 P2.1 R45.1 U4.9 | length 41.8
  L1 w0.203: 9.601,26.478 9.601,28.067 10.541,29.007 11.354,29.007 12.014,29.667 C43.2@12.014,30.607 12.167,30.607 13.894,32.334 ; R45.1@13.894,33.503 13.894,32.334 ; v2(15.773,29.82) 15.773,30.455 13.894,32.334
  L2 w0.203: v2(15.773,29.82) 15.728,29.774 15.728,8.707 17.043,7.391 v8(17.653,7.391)
  L3 w0.203: P2.1@23.089,7.391 P2.1@23.139,7.341
  L3 w0.381: v8(17.653,7.391) P2.1@23.089,7.391
  L1-2 w0.203: P2.1@23.089,7.391 P2.1@23.139,7.341
NetC46_1: C46.1 U5.56 | length 2.6
  L4 w0.203: C46.1@54.272,34.265 54.714,34.265 U5.56@56.224,32.754
NetC47_1: C47.1 R46.1 U5.39 Y2.3 | length 14.7
  L4 w0.203: R46.1@47.777,23.749 47.777,22.504 48.971,21.311 C47.1@49.225,21.311 ; Y2.3@49.962,22.844 49.962,22.454 49.225,21.717 C47.1@49.225,21.311 ; U5.39@56.931,24.552 55.061,22.682 53.721,22.682 51.638,20.599 49.936,20.599 C47.1@49.225,21.311
NetC48_1: C48.1 R50.1 U4.14 | length 10.7
  L1 w0.203: C48.1@4.953,33.249 4.242,32.537 4.242,31.293 R50.1@4.877,30.658 4.877,29.718 6.274,28.321 6.274,26.27 U4.14@8.1,24.443
NetC48_2: C48.2 R47.1 U4.13 | length 13.9
  L1 w0.203: v1(4.039,34.823) 4.597,34.265 C48.2@5.029,34.265 ; v1(6.045,29.667) 6.071,29.693 R47.1@6.071,30.632 ; v1@6.121,29.54 7.061,28.6 7.061,26.189 U4.13@8.454,24.797
  L4 w0.203: v1(4.039,34.823) 4.399,34.463 4.399,31.313 v1(6.045,29.667)
NetC49_1: C49.1 R52.2 U4.3 Y3.3 | length 12.4
  L1 w0.203: U4.3@12.626,24.443 13.1,24.917 v1@14.199,24.917
  L4 w0.203: v1@14.351,24.917 C49.1@14.351,26.01 15.629,26.01 15.85,26.01 Y3.3@16.229,25.63 ; v1(14.376,24.917) 13.64,24.181 13.64,23.368 15.977,21.031 17.201,21.031 18.013,21.844 R52.2@18.034,21.844
NetC50_1: C50.1 C52.1 U4.19 | length 6.8
  L1 w0.203: C50.1@3.937,23.978 6.655,21.26 7.29,21.26 U4.19@8.069,22.039
  L1 w0.254: C52.1@3.683,23.012 C50.1@3.683,23.978 C50.1@3.937,23.978 ; U4.19@8.069,22.039 U4.19@8.1,22.039
NetC51_1: C51.1 C53.1 U4.17 | length 6.9
  L1 w0.203: C53.1@3.658,26.137 C53.1@3.683,26.111 ; C51.1@3.683,25.044 C53.1@3.683,26.111 ; U4.17@7.393,22.746 7.025,22.377 6.756,22.377 6.274,22.86 6.274,23.52 C53.1@3.683,26.111
NetC54_1: C54.1 L9.2 R53.2 U4.16 | length 12.8
  L1 w0.254: L9.2@1.397,32.893 1.676,32.614 1.676,30.328 1.803,30.201 R53.2@3.2,30.201 ; R53.2@2.667,29.667 C54.1@2.667,28.245 2.769,28.143 2.769,27.203 3.926,27.203 U4.16@7.393,23.736
NetC54_2: C54.2 P2.11 R53.1 U4.15 | length 75.4
  L1 w0.203: v1(3.073,32.283) 3.073,33.503 R53.1@3.2,33.63 ; v1(3.734,29.007) 3.683,28.956 C54.2@3.683,28.245 ; v2(4.699,28.067) 4.521,28.245 C54.2@3.683,28.245 ; U4.15@7.747,24.09 3.683,28.153 C54.2@3.683,28.245
  L2 w0.381: v2(4.699,28.067) 4.699,10.439 v8(5.69,9.449)
  L3 w0.203: P2.11@48.336,7.341 P2.11@48.539,7.341
  L3 w0.381: v8(5.69,9.449) 46.228,9.449 P2.11@48.336,7.341
  L4 w0.203: v1(3.073,32.283) 3.048,32.258 3.048,29.693 v1(3.734,29.007)
NetC55_1: C55.1 R52.1 U4.2 Y3.1 | length 14.7
  L1 w0.203: U4.2@12.979,24.09 13.304,24.414 14.6,24.414 v1(14.91,24.105)
  L3 w0.203: v1(14.91,24.105) 19.939,24.105 v5(20.549,23.495)
  L4 w0.203: v1(14.91,24.105) 14.91,22.987 16.053,21.844 R52.1@17.018,21.844 17.018,22.211 Y3.1@18.429,23.622 ; C55.1@20.041,23.52 20.066,23.495 v5(20.549,23.495)
NetC59_1: C59.1 C62.1 C63.1 U6.21 | length 9.5
  L1 w0.203: C59.1@18.364,21.336 20.324,21.336 21.516,20.144 23.114,20.144 U6.21@24.403,21.433
  L1 w0.254: C59.1@18.364,21.336 C62.1@18.364,20.168 18.364,18.974 C63.1@18.39,18.948
NetC60_1: C60.1 C61.1 C64.1 U6.27 | length 5.8
  L1 w0.203: U6.27@27.161,21.08 27.915,20.326 27.915,18.796 27.534,18.415 C61.1@27.534,18.085
  L1 w0.254: C64.1@25.171,18.11 C60.1@26.34,18.11 26.365,18.085 C61.1@27.534,18.085
NetC65_1: C65.1 R58.1 U6.12 | length 6.9
  L1 w0.203: R58.1@22.352,30.632 C65.1@23.546,30.632 23.546,26.109 U6.12@24.403,25.252
NetC65_2: C65.2 R55.1 U6.11 | length 7.1
  L1 w0.203: C65.2@23.546,31.648 23.647,31.648 R55.1@24.714,30.582 ; R55.1@24.638,30.556 24.638,29.997 24.105,29.464 24.105,26.257 U6.11@24.757,25.605
NetC66_1: C66.1 L12.2 R61.2 U6.10 | length 21.4
  L1 w0.203: U6.10@25.11,25.959 24.714,26.355 24.714,28.804 25.832,29.921 C66.1@25.832,30.582 v2@26.518,30.582 ; v2@26.568,30.632 v2(26.594,30.658) ; v2(28.397,32.436) 28.88,32.918 R61.2@28.88,33.553 28.88,36.627 v3(28.677,36.83) ; v3(34.874,37.084) 35.992,35.966 L12.2@35.992,35.662
  L2 w0.203: v2(26.594,30.658) 28.372,32.436 v2(28.397,32.436)
  L3 w0.203: v3(28.677,36.83) 28.753,36.83 29.007,37.084 v3(34.874,37.084)
NetC66_2: C66.2 P2.3 R61.1 U6.9 | length 40.8
  L1 w0.203: v2@24.79,32.36 v2(24.892,32.36) 25.07,32.36 C66.2@25.832,31.598 25.883,31.648 28.677,31.648 28.905,31.42 R61.1@28.905,30.15 ; U6.9@25.464,26.312 25.464,28.182 27.381,30.099 R61.1@28.854,30.099
  L1 w0.381: v2(23.622,11.811) 25.248,11.811 28.219,8.839 P2.3@28.219,7.341
  L2 w0.203: v2(23.622,11.811) 22.987,12.446 22.987,23.114 24.486,24.613 24.486,31.953 v2(24.892,32.36)
NetC67_2: C67.2 M1.2 M2.15 P1.4 R59.1 U5.7 | length 74.7
  L1 w0.203: M1.2@88.621,38.506 88.824,38.303 v3(88.824,31.725)
  L2 w0.203: v8(72.238,31.115) 72.263,31.115 P1.4@74.752,28.626
  L3 w0.203: v5(65.303,33.96) 68.148,31.115 v8(72.238,31.115) ; P1.4@74.752,28.626 83.972,28.626 86.03,30.683 87.884,30.683 88.824,31.623 v3(88.824,31.725)
  L1-2 w0.254: v9(36.652,30.886) 36.952,31.186 39.843,31.186 39.939,31.09 61.011,31.09 v9(61.214,31.293)
  L4 w0.203: U5.7@63.719,33.462 64.421,34.163 65.1,34.163 v5(65.303,33.96) ; v1(88.849,33.807) 88.824,33.782 93.091,33.782 94.283,34.974 M2.15@94.283,37.821
  L4 w0.254: C67.2@36.576,29.032 R59.1@36.576,30.302 ; R59.1@36.652,30.378 v9(36.652,30.886) ; v9(61.214,31.293) 61.742,31.821 62.079,31.821 U5.7@63.719,33.462
NetC68_1: C68.1 R66.1 U6.14 | length 11.6
  L1 w0.203: R66.1@19.914,33.299 19.355,33.299 19.177,33.122 19.177,30.937 19.329,30.785 C68.1@19.914,30.785 19.914,30.353 22.025,28.242 22.025,26.216 U6.14@23.696,24.545
NetC68_2: C68.2 R63.1 U6.13 | length 8.6
  L1 w0.203: C68.2@19.914,31.801 R63.1@20.98,30.734 ; R63.1@21.133,30.734 22.886,28.98 22.886,26.061 U6.13@24.05,24.898
NetC69_1: C69.1 C71.1 U6.19 | length 7.7
  L1 w0.203: C71.1@18.364,23.698 18.999,23.698 21.209,21.488 23.044,21.488 U6.19@23.696,22.141
  L1 w0.254: C69.1@18.364,22.504 C71.1@18.364,23.698
NetC70_1: C70.1 C72.2 U6.17 | length 7.2
  L1 w0.203: C70.1@18.339,26.06 19.253,26.06 22.466,22.848 U6.17@22.989,22.848
  L1 w0.508: C70.1@18.339,26.06 18.339,24.917 C72.2@18.39,24.867
NetC73_1: C73.1 L15.2 R72.2 U6.16 | length 18.2
  L1 w0.203: v2(15.875,31.928) L15.2@15.875,32.766 ; v2(16.358,27.026) 16.789,27.026 17.036,26.779 18.339,26.779 ; R72.2@17.805,30.175 v3(17.805,31.09) ; C73.1@18.339,27.788 18.339,26.779 ; U6.16@22.989,23.838 20.048,26.779 18.339,26.779
  L2 w0.203: v2(16.358,27.026) 16.358,27.61 16.383,27.635 16.383,31.42 v2(15.875,31.928) 17.196,31.928 17.805,31.318 v3(17.805,31.09)
NetC73_2: C73.2 P2.13 R72.1 U6.15 | length 67.2
  L1 w0.203: 17.247,29.007 16.866,29.007 16.383,29.489 16.383,31.115 17.882,32.614 R72.1@17.882,33.528 ; C73.2@17.297,27.813 17.297,28.956 ; 17.297,29.007 20.142,29.007 20.345,28.804 20.345,27.188 U6.15@23.343,24.191
  L2 w0.203: v2@20.244,27.762 20.244,27.483 19.914,27.153 19.914,12.37 v8(21.209,11.074)
  L3 w0.203: P2.13@53.162,7.341 P2.13@53.619,7.341
  L3 w0.381: v8(21.209,11.074) 21.895,10.389 50.114,10.389 P2.13@53.162,7.341
  other v2: 20.295,27.813
NetC77_1: C77.1 C79.1 C81.1 U8.27 | length 18.7
  L1 w0.203: v4(40.818,12.903) 41.605,13.691 41.605,19.92
  L1 w0.254: C79.1@33.274,14.097 33.274,12.954 C77.1@33.325,12.903 v4(34.163,12.903) ; C79.1@33.325,14.097 C81.1@33.325,15.215 ; U8.27@40.496,21.029 41.605,19.92
  L1-2 w0.508: v4(34.163,12.903) v4(40.818,12.903)
NetC78_1: C78.1 C80.1 C82.1 U8.21 | length 7.5
  L1 w0.203: C82.1@33.299,21.107 34.519,21.107 35.179,20.447 36.803,20.447 U8.21@37.738,21.383
  L1 w0.254: C80.1@33.299,18.771 33.299,19.914 C78.1@33.274,19.939 33.274,21.082 C82.1@33.299,21.107
NetC83_1: C83.1 R77.1 U8.12 | length 9.9
  L1 w0.203: U8.12@37.738,25.201 36.754,26.185 36.754,27 C83.1@38.837,29.083 38.608,29.083 38.1,29.591 38.1,31.801 38.481,32.182 R77.1@38.481,33.223
NetC83_2: C83.2 R74.1 U8.11 | length 6.9
  L1 w0.203: U8.11@38.092,25.555 37.465,26.181 37.465,27 38.659,28.194 39.446,28.194 39.98,28.727 R74.1@39.98,29.083 39.853,29.083 C83.2@38.837,30.099
NetC84_1: C84.1 L18.2 R78.2 U8.10 | length 12.5
  L1 w0.203: U8.10@38.445,25.908 38.024,26.33 38.024,26.695 39.04,27.711 39.98,27.711 41.188,28.92 C84.1@41.087,29.022 ; C84.1@41.173,29.108 40.564,29.718 40.564,30.937 40.919,31.293 42.113,31.293 R78.2@42.85,32.029 ; R78.2@43.078,32.029 43.078,32.817 43.586,33.325 L18.2@43.586,34.29
NetC84_2: C84.2 P2.5 R78.1 U8.9 | length 32.2
  L1 w0.203: U8.9@38.799,26.262 39.766,27.229 40.792,27.229 v2(41.224,27.661) 42.012,28.448 R78.1@43.332,28.448 ; C84.2@41.3,29.997 42.418,29.997 43.078,29.337 R78.1@43.078,28.6
  L2 w0.203: v6(38.456,11.836) 39.924,13.304 39.924,25.095 40.372,25.544 40.378,25.544 41.046,26.213 41.046,27.483 v2(41.224,27.661)
  L4 w0.381: P2.5@33.299,7.341 36.881,10.922 37.541,10.922 v6(38.456,11.836)
NetC85_1: C85.1 R83.1 U8.14 | length 10.3
  L1 w0.203: R83.1@34.646,33.274 35.408,32.512 35.408,29.591 35.916,29.083 C85.1@36.17,29.083 ; C85.1@36.119,29.032 36.119,28.169 35.611,27.661 35.611,25.914 U8.14@37.031,24.494
NetC85_2: C85.2 R80.1 U8.13 | length 6.9
  L1 w0.203: C85.2@36.17,30.099 37.186,29.083 R80.1@37.49,29.083 37.49,28.575 36.297,27.381 36.297,25.935 U8.13@37.385,24.847
NetC86_1: C86.1 C88.1 U8.19 | length 5.3
  L1 w0.203: C86.1@33.325,22.2 34.417,22.2 35.001,21.615 36.576,21.615 37.031,22.07 U8.19@37.031,22.09
  L1 w0.254: C86.1@33.274,22.25 C88.1@33.274,23.368
NetC87_1: C87.1 C89.1 U8.17 | length 4.9
  L1 w0.254: C89.1@33.274,25.629 33.274,24.536 34.584,24.536 U8.17@36.324,22.797
NetC90_1: C90.1 L21.2 R85.2 U8.16 | length 19.7
  L1 w0.203: L21.2@25.171,35.763 v2(25.171,36.779) ; v2(32.537,31.42) 32.766,31.191 R85.2@32.766,30.074 32.766,29.261 33.198,28.829 C90.1@33.198,28.372 ; C90.1@33.096,28.27 33.096,27.015 U8.16@36.324,23.787
  L2 w0.203: v2(25.171,36.779) 25.984,35.966 27.991,35.966 v2(32.537,31.42)
NetC90_2: C90.2 P2.15 R85.1 U8.15 | length 59.6
  L1 w0.203: 34.646,28.194 v2(35.382,28.194)
  L1 w0.254: C90.2@32.182,28.372 31.039,29.515 31.039,31.267 32.36,32.588 32.741,32.588 34.595,30.734 34.595,27.483 34.783,27.295 34.783,26.035 U8.15@36.678,24.14 ; 32.766,32.588 R85.1@32.766,33.503
  L2 w0.203: v2(35.382,28.194) 35.789,27.788 36.779,27.788 36.779,21.565 37.084,21.26 37.084,20.777 36.83,20.523
  L2 w0.254: v8(36.424,11.709) 36.576,11.709 36.83,11.963 36.83,20.523
  L3 w0.381: v8(36.424,11.709) 36.957,11.176 54.864,11.176 P2.15@58.699,7.341
NetC91_1: C91.1 C96.1 C99.1 U9.27 | length 10.8
  L1 w0.203: C91.1@49.352,12.37 49.403,12.319 C99.1@50.47,12.319 51.562,12.319 C96.1@51.613,12.37 51.613,13.183 51.816,13.386 54.61,13.386 55.855,14.63 55.855,15.773 56.312,16.231 56.312,16.77 U9.27@55.939,17.143
NetC93_1: C93.1 C98.2 C100.1 U9.21 | length 10.1
  L1 w0.203: C98.2@46.965,11.938 C100.1@46.965,13.03 46.965,14.3 C93.1@46.939,14.326 50.317,14.326 52.349,16.358 52.349,16.664 U9.21@53.181,17.496
NetC94_1: C94.1 R89.1 U9.12 | length 11.5
  L1 w0.203: v1@48.997,24.359 C94.1@49.403,24.359 49.403,23.952 50.063,23.292 51.204,23.292 U9.12@53.181,21.315 ; v4(52.045,28.55) R89.1@52.502,28.55
  L1-2 w0.203: v1(48.946,24.435) 49.86,25.349 49.86,26.228 52.045,28.412 v4(52.045,28.55)
NetC94_2: C94.2 R87.1 U9.11 | length 5.9
  L1 w0.203: C94.2@49.403,25.375 49.784,25.375 50.8,24.359 R87.1@51.283,24.359 51.283,23.921 U9.11@53.535,21.668
NetC101_1: C101.1 L24.2 R90.2 U9.10 | length 15.5
  L1 w0.203: R90.2@49.327,30.836 49.327,31.293 49.835,31.801 52.248,31.801 52.73,31.318 L24.2@52.73,30.785 52.756,30.759 53.238,30.759 53.67,30.328 v4(53.67,29.108) ; v4(53.137,24.384) C101.1@52.654,24.384 52.654,23.256 U9.10@53.888,22.022
  L1-2 w0.203: v4(53.137,24.384) 53.137,24.968 53.67,25.502 v4(53.67,29.108)
NetC101_2: C101.2 P2.7 R90.1 U9.9 | length 35.1
  L1 w0.203: R90.1@49.327,27.483 50.063,28.219 v3(50.063,28.677) ; v3(52.146,27.508) 52.654,27 C101.2@52.654,25.4 53.569,25.4 53.797,25.171 53.797,22.82 U9.9@54.242,22.375 54.407,22.54
  L1 w0.254: 54.407,22.54 v4(54.407,23.749)
  L3 w0.203: v3(50.063,28.677) 51.232,27.508 v3(52.146,27.508)
  L1-2 w0.203: P2.7@38.379,7.341 P2.7@38.379,7.722
  L1-2 w0.381: P2.7@38.379,7.722 v4(54.407,23.749)
NetC102_1: C102.1 R95.1 U9.14 | length 10.3
  L1 w0.203: R95.1@45.999,24.46 46.711,24.46 47.015,24.155 ; C102.1@47.676,25.502 47.092,25.502 47.015,25.425 47.015,24.155 ; U9.14@52.474,20.608 50.73,22.352 48.285,22.352 47.015,23.622 47.015,24.155
NetC102_2: C102.2 R92.1 U9.13 | length 20
  L1 w0.203: C102.2@47.727,24.435 47.727,24.003 v2(48.336,23.393) 48.946,22.784 51.005,22.784 U9.13@52.828,20.961 ; v2(47.772,32.106) 47.976,32.309 51.054,32.309 51.41,32.664 R92.1@51.41,33.045
  L2 w0.203: v2(47.772,32.106) 47.772,23.957 v2(48.336,23.393)
NetC103_1: C103.1 L27.2 R96.2 U9.16 | length 24.1
  L1 w0.203: 44.602,29.845 45.11,29.337 45.11,24.003 45.974,23.139 C103.1@45.974,20.549
  L1 w0.254: 44.602,29.845 44.602,33.071 45.237,33.706 R96.2@46.66,33.706 45.974,34.392 L27.2@45.974,35.687 ; C103.1@45.974,20.549 45.974,20.066 46.253,19.787 48.133,19.787 48.247,19.901 U9.16@51.767,19.901
NetC103_2: C103.2 P2.17 R96.1 U9.15 | length 42.3
  L1 w0.203: v2(46.634,29.337) 46.66,29.337 R96.1@46.66,30.277 ; C103.2@46.99,20.549 C103.2@47.015,20.574 ; v2(47.015,21.031) C103.2@47.015,20.574 ; U9.15@52.121,20.254 51.801,20.574 C103.2@47.015,20.574
  L2 w0.203: v2(46.634,29.337) 46.634,28.423 47.264,27.793 47.264,25.928 47.244,25.908 47.244,21.311 47.371,21.184 ; v2(47.015,21.031) 47.015,21.133 47.066,21.184 47.371,21.184 ; v8(47.879,13.259) 47.879,15.545 48.082,15.748 48.082,20.472 47.371,21.184
  L3 w0.381: v8(47.879,13.259) 48.819,12.319 58.801,12.319 P2.17@63.779,7.341
NetC104_1: C104.1 C105.1 U9.19 | length 7.8
  L1 w0.203: C105.1@46.888,15.57 C104.1@46.888,16.535 47.117,16.307 48.108,16.307 48.565,15.85 50.12,15.85 U9.19@52.474,18.204
NetC106_1: C106.1 C107.1 U9.17 | length 6.1
  L1 w0.203: C107.1@46.888,17.526 46.863,17.551 C106.1@46.863,18.618 51.475,18.618 U9.17@51.767,18.911
NetC111_1: C111.1 C116.1 U10.21 | length 9.7
  L1 w0.203: C111.1@62.103,11.532 62.103,12.573 63.297,13.767 64.592,13.767 66.624,15.799 66.624,16.08 U10.21@67.532,16.988
  L1 w0.254: C116.1@60.909,11.532 C111.1@62.103,11.532
NetC112_1: C112.1 C113.1 C117.1 U10.27 | length 9.7
  L1 w0.254: C113.1@65.507,11.532 C117.1@66.65,11.532 67.208,11.532 ; v1(67.31,12.852) 67.31,11.633 67.208,11.532 ; C112.1@67.793,11.532 67.208,11.532 ; U10.27@70.29,16.635 70.546,16.379 v1(70.546,14.62)
  L4 w0.254: v1(67.31,12.852) 68.778,12.852 v1(70.546,14.62)
NetC114_1: C114.1 R104.1 U10.12 | length 3.2
  L1 w0.203: C114.1@67.005,23.216 66.969,23.216 R104.1@66.301,22.548 66.675,22.174 66.675,21.664 U10.12@67.532,20.807
NetC114_2: C114.2 R101.1 U10.11 | length 4.8
  L1 w0.203: C114.2@66.287,23.934 67.749,23.934 R101.1@67.843,24.028 67.843,23.063 67.412,22.631 67.412,21.635 U10.11@67.886,21.16
NetC118_1: C118.1 L30.2 R106.2 U10.10 | length 16.5
  L1 w0.203: C118.1@67.92,25.618 67.92,24.816 68.555,24.181 68.555,23.19 67.92,22.555 67.92,21.834 U10.10@68.239,21.514 ; C118.1@68.014,25.712 68.228,25.926 68.878,25.926 R106.2@71.958,29.007 73.203,30.251 73.203,33.35 73.787,33.934 L30.2@73.787,34.722
NetC118_2: C118.2 P2.9 R106.1 U10.9 | length 83.7
  L1 w0.203: U10.9@68.593,21.867 68.629,21.867 69.063,22.301 69.063,24.663 C118.2@68.732,24.994 76.759,24.994 77.216,25.451 v2(77.216,25.552) ; R106.1@71.958,32.436 71.958,33.02 v2(72.695,33.757)
  L1 w0.381: P2.9@43.459,7.341 43.459,5.867 45.644,3.683 67.056,3.683 67.602,4.229 v3(67.602,5.093)
  L2 w0.203: v2(72.695,33.757) 72.669,33.731 72.771,33.63 76.911,33.63 78.791,31.75 78.791,27.127 v2(77.216,25.552) 77.216,12.395 75.184,10.363 v8(75.184,5.918)
  L3 w0.203: v3(67.602,5.093) 74.384,5.093 75.184,5.893 v8(75.184,5.918)
NetC119_1: C119.1 R111.1 U10.14 | length 3.5
  L1 w0.203: R111.1@64.059,20.574 64.084,20.574 C119.1@64.745,21.234 ; R111.1@64.414,20.523 66.402,20.523 U10.14@66.825,20.1
NetC119_2: C119.2 R109.1 U10.13 | length 3.7
  L1 w0.203: C119.2@64.026,21.953 64.063,21.989 R109.1@65.641,21.989 66.319,21.311 66.321,21.311 U10.13@67.077,20.555
NetC120_1: C120.1 L33.2 R112.2 U10.16 | length 16.8
  L1 w0.203: L33.2@60.579,20.091 59.995,20.091 59.576,20.511 ; R112.2@61.316,25.451 60.147,25.451 59.157,24.46 59.157,20.93 59.576,20.511 ; U10.16@65.991,19.443 65.598,19.05 62.078,19.05 C120.1@61.874,18.847 61.285,18.258 59.995,18.258 59.576,18.677 59.576,20.511
NetC120_2: C120.2 P2.19 R112.1 U10.15 | length 28.3
  L1 w0.203: v2(60.122,22.098) 61.239,22.098 R112.1@61.316,22.022 61.412,21.925 61.412,19.731 60.858,19.177 C120.2@60.858,18.847 ; v2@65.38,20.02 66.198,20.02 U10.15@66.472,19.746
  L2 w0.203: v2(60.122,22.098) 63.297,22.098 v2(65.38,20.015) 65.024,19.66 65.024,9.601 v8(64.541,9.119)
  L3 w0.381: v8(64.541,9.119) 67.031,9.119 ; 67.056,9.144 P2.19@68.859,7.341
NetC121_1: C121.1 C123.1 U10.19 | length 6.9
  L1 w0.203: C123.1@61.951,15.443 64.573,15.443 U10.19@66.825,17.696
  L1 w0.254: C123.1@61.951,15.443 61.951,14.351 C121.1@61.976,14.326
NetC122_1: C122.1 C124.1 U10.17 | length 5.6
  L1 w0.254: C122.1@61.925,16.561 C124.1@61.925,17.704 63.271,17.704 63.97,18.403 U10.17@66.118,18.403
NetD2_2: D2.2 Q1.B R9.2 | length 6.1
  L4 w0.381: D2.2@79.248,33.326 80.265,33.326 81.432,34.493 81.432,35.255 Q1.B@82.296,36.119 83.312,36.119 R9.2@83.591,35.839
NetD3_1: D3.1 R2.2 | length 8.9
  L1 w0.508: D3.1@100.838,14.378 v1(100.838,15.392) ; v1(103.48,12.116) 103.556,12.04 R2.2@103.556,10.135
  L4 w0.508: v1(100.838,15.392) 100.838,12.192 100.914,12.116 v1(103.48,12.116)
NetD6_K: D6.K R11.1 | length 2.6
  L4 w0.508: R11.1@78.156,30.632 79.146,29.642 D6.K@80.315,29.642
NetD7_1: D7.1 R20.2 | length 1.8
  L1 w0.508: R20.2@100.736,10.211 D7.1@100.736,12.016
NetD8_1: D8.1 R38.1 | length 3.7
  L1 w0.203: D8.1@35.154,45.237 37.033,43.358 R38.1@38.049,43.358
NetD8_2: D8.2 U3.3 | length 0.9
  L1 w0.203: D8.2@33.426,45.263 33.426,45.745 v3(33.706,46.025)
NetD9_1: D9.1 R39.1 | length 4.2
  L1 w0.254: D9.1@35.052,43.104 35.052,42.367 36.017,41.402 R39.1@38.151,41.402
NetD9_2: D9.2 U3.2 | length 16.1
  L1 w0.203: 33.528,42.621 33.528,41.3 34.366,40.462 38.964,40.462 39.167,40.259 43.358,40.259 43.688,40.589 43.688,42.85 v3(44.983,44.145)
NetD10_1: D10.1 R43.1 | length 1.7
  L1 w0.203: R43.1@12.217,15.824 12.421,15.621 D10.1@13.843,15.621
NetD10_2: D10.2 U4.5 | length 14.9
  L1 w0.203: U4.5@11.919,25.15 12.804,26.035 14.91,26.035 16.459,24.486 16.459,17.46 15.343,16.344 D10.2@15.343,15.621
NetD11_1: D11.1 R44.1 | length 1.6
  L1 w0.203: R44.1@12.243,14.199 13.411,14.199 D11.1@13.741,13.868
NetD11_2: D11.2 U4.4 | length 15.7
  L1 w0.203: U4.4@12.272,24.797 12.896,25.42 14.686,25.42 15.9,24.206 15.9,17.78 14.58,16.459 14.58,14.351 15.062,13.868 D11.2@15.241,13.868